# Allegro board ADRV9371-W_Layout_RevB.brd (continued)
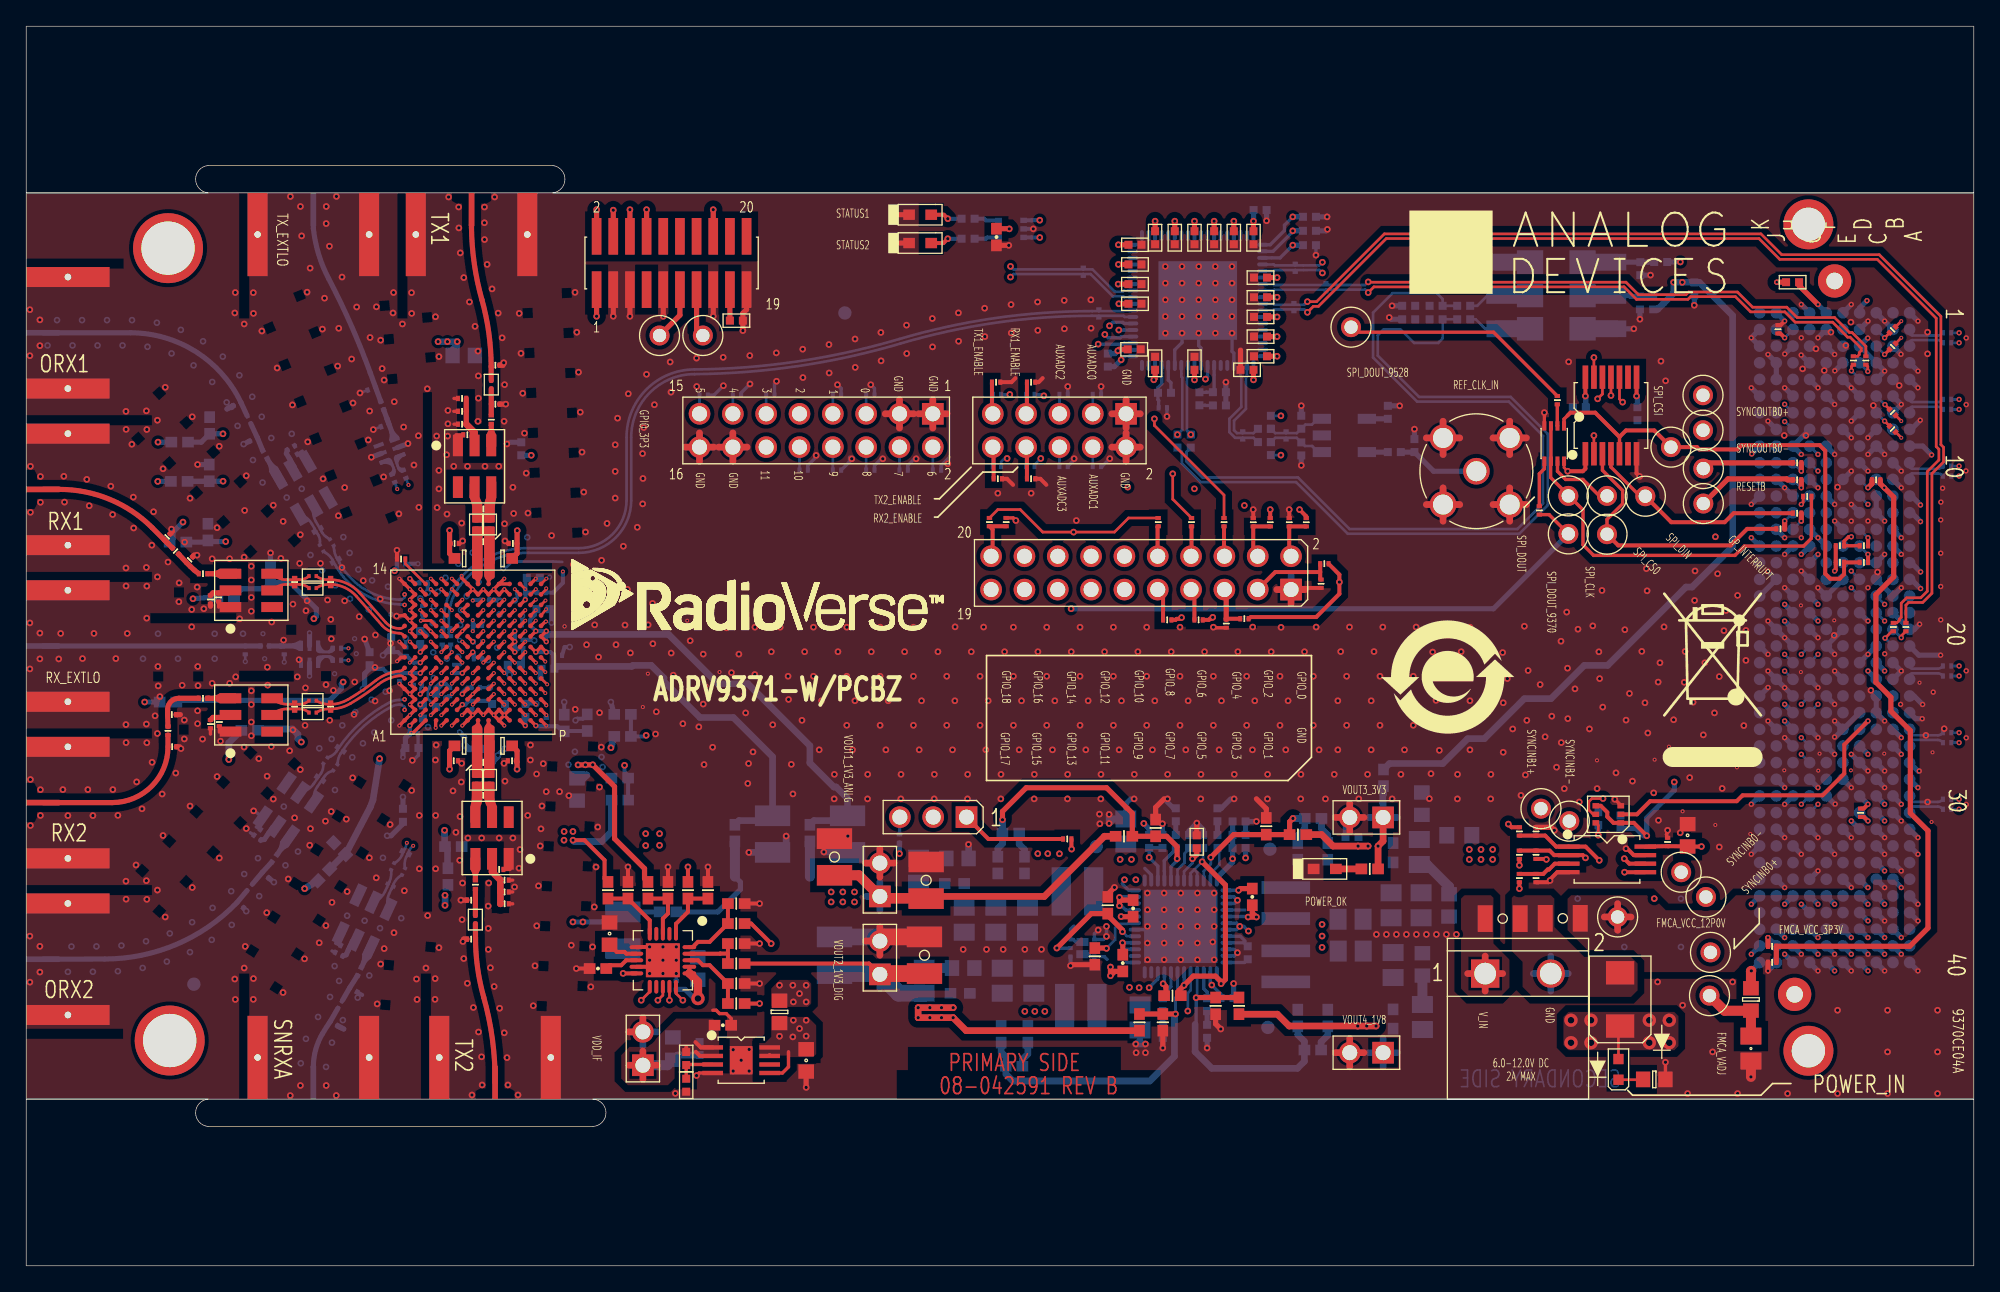
[diagram p0: board, top side]
## Routing (per net, layer and track width the routed paths; a pad name or vN(x,y) marks a point on that pad's centre or on a via; arc(x,y) is an arc through that point) (continued)
SPI_CLK: length 112.3
  TOP w0.254: U405.3 120.14,60.64 121.68,59.1 121.68,58.09 120.48,56.9 TP802.1 ; U101.K9 v6(36.44,48.38)
  TOP w0.305: R804.1 131.17,56.17 129.9,54.91 121.34,54.91 TP802.1
  L7_SIG w0.114: TP802.1 119,54.28 104.66,54.28 100.72,58.21 93.1,58.21 v8(92.85,57.96)
  L8_SIG w0.114: v8(92.85,57.96) 73.42,57.96 65.67,50.21 50.68,50.21 49.84,49.37 47.19,49.37 46,48.18 41.41,48.18 41.22,47.99 37.08,47.99 36.69,48.38 v6(36.44,48.38)
SPI_CLK_9528: length 44.4
  TOP w0.203: v1(119.77,66.09) 120.14,66.45 U405.12
  L7_SIG w0.114: v1(82.21,70.99) 82.44,70.76 83.56,70.76 84.47,71.67 93.74,71.67 96.08,69.33 116.28,69.33 118.75,66.85 119.01,66.85 119.05,66.81 119.05,66.81 119.35,66.51 119.35,66.51 v1(119.77,66.09)
  BOTTOM w0.254: v1(82.21,70.99) 82.46,70.74 83.38,70.74 83.47,70.83 U401.22
SPI_CS0: length 120.1
  TOP w0.254: U101.K10 v6(36.44,49.18) ; v2(139.1,55.57) 138.89,55.57 138.55,55.23 R808.2 R811.1 ; U403.7 116.71,60.56 117.33,59.94 118.65,59.94 119.9,58.69 TP813.1
  L7_SIG w0.114: TP813.1 119.34,57.54 116.88,57.54 115.13,55.8 105.67,55.8 101.86,59.61 89.42,59.61 v8(89.04,59.23)
  L8_SIG w0.114: v6(36.44,49.18) 36.84,49.58 40.01,49.58 40.52,50.08 43.11,50.08 43.27,49.93 43.61,49.93 43.9,50.21 45.2,50.21 46.85,51.86 63.89,51.86 72.27,60.24 85.35,60.24 86.37,59.23 v8(89.04,59.23)
  L8_SIG w0.254: v2(139.1,55.57) 138.49,56.18 122.99,56.18 TP813.1
SPI_CS1: length 37
  TOP w0.254: 117.48,64.82 117.21,64.54 U403.1 ; 121.44,63.18 U405.5
  TOP w0.305: R812.1 R809.2 138.55,52.71 138.21,52.37 137.5,52.37 137.12,52.75 137.12,62.12 136.69,62.56 130.74,62.56 130.41,62.23 127.52,62.23 127.34,62.4 TP814.1 124.09,63.67 121.93,63.67 121.44,63.18 119.58,65.03 117.7,65.03 117.48,64.82
SPI_CS_9528: length 47
  TOP w0.203: U405.10 121.44,66.07 v1(121.68,65.83)
  L7_SIG w0.114: v1(81.7,70.25) 93.12,70.25 95.2,68.18 115.77,68.18 118.75,65.2 121.04,65.2 v1(121.68,65.83)
  BOTTOM w0.254: U401.21 83.78,70.33 83.69,70.33 83.62,70.25 v1(81.7,70.25)
SPI_DIN: length 114.3
  TOP w0.254: U101.J9 v6(35.64,48.38) ; U405.4 120.79,60.88 123,58.66 TP801.1
  TOP w0.305: TP801.1 125.39,56.68 129.45,56.68 130.14,57.37 R805.1
  L7_SIG w0.114: TP801.1 122.03,60.03 117.4,60.03 113.93,56.56 106.18,56.56 102.24,60.5 96.97,60.5 96.59,60.88 87.6,60.88 87.6,60.89 87.17,60.89 87.17,60.88 85.56,60.88 84.03,59.36 v1(83.96,59.36)
  L8_SIG w0.114: v6(35.64,48.38) 36.03,48.76 40.34,48.76 40.95,49.37 45.27,49.37 47,51.1 64.65,51.1 72.96,59.4 83.91,59.4 v1(83.96,59.36)
SPI_DIN_9528: length 43.6
  TOP w0.203: U405.11 v1(120.79,66.34)
  L7_SIG w0.114: v1(83.28,71.33) 85.02,73.07 93.86,73.07 96.53,70.4 116.85,70.4 120.79,66.47 v1(120.79,66.34)
  BOTTOM w0.254: v1(83.28,71.33) 83.68,71.33 U401.23
SPI_DOUT: length 31.6
  TOP w0.203: TP809.1 117.59,58.69 ; 116.2,61.33 U403.6
  TOP w0.254: R806.1 136.06,55.72 136.06,55.71 136.06,55.45 135.47,54.86 130.95,54.86 130.23,54.15 119.47,54.15 118.66,54.96 118.66,57.62 116.19,60.09 116.19,61.32 116.21,61.35 U403.3
SPI_DOUT_9370: length 91.9
  TOP w0.254: TP402.1 116.07,57.26 R427.2 ; U101.J10 v6(35.64,49.18)
  L7_SIG w0.097: 39.89,46.39 39.49,46.39
  L7_SIG w0.114: 39.49,46.39 37.95,46.39 37.7,46.64 37.7,47.06 37.58,47.19 37.08,47.19 36.85,47.42 36.85,47.74 36.55,48.04 36.3,48.04 36.1,48.24 36.1,48.66 35.64,49.13 v6(35.64,49.18) ; v1(79.64,50.08) 79.64,49.81 77.63,47.8 77.1,47.8 75.41,46.11 48.61,46.11 48.52,46.19 45.18,46.19 44.45,46.92 43.41,46.92 42.88,46.39 39.89,46.39
  BOTTOM w0.394: TP402.1 111.83,50.08 v1(79.64,50.08)
SPI_DOUT_9528: length 40.5
  TOP w0.254: TP401.1 101.36,71.17 111.83,71.17 R426.2
  L7_SIG w0.114: v1(82.56,71.65) 85.25,74.34 94.12,74.34 96.91,71.55 TP401.1
  BOTTOM w0.254: U401.24 83.81,71.83 83.67,71.83 83.59,71.91 82.83,71.91 v1(82.56,71.65)
STATUS_0: length 25.1
  L5_SIG w0.114: v1(77.25,79.7) 77.85,80.3 96.19,80.3 v1(96.53,79.96)
  BOTTOM w0.254: v1(96.53,79.96) 95.9,79.32 95.9,78.92 94.81,77.83 U401.55 ; R418.1 97.17,79.96
  BOTTOM w0.305: v1(77.25,79.7) 76.64,79.7 76.63,79.69 U402.1
  BOTTOM w0.394: 97.17,79.96 v1(96.53,79.96)
STATUS_1: length 24.5
  L5_SIG w0.114: v1(77.25,78.38) 77.76,78.89 v1(96.53,78.89)
  BOTTOM w0.203: R419.1 97.17,78.89
  BOTTOM w0.254: v1(96.53,78.89) 96.53,78.83 95.03,77.33 U401.56
  BOTTOM w0.305: U402.3 76.63,78.39 76.64,78.38 v1(77.25,78.38)
  BOTTOM w0.394: 97.17,78.89 v1(96.53,78.89)
SYNCINB0+: length 150.5
  TOP w0.254: U101.M4 v6(38.04,43.58)
  L7_SIG w0.091: 127.14,29 127.77,29.64 132.45,29.64 136.77,33.96 137.78,33.96 139.91,36.09 139.91,39.2 141.36,40.65 141.97,40.65 143.75,42.43 143.75,60.77 143.14,61.39 137.02,61.39 v2(136.56,61.85) ; 127.14,29 126.63,28.49 119.66,28.49 116.24,31.92 113.19,31.92 111.79,33.32 110.14,33.32 105.19,38.27 60.57,38.27 59.68,37.38 48.14,37.38 44.84,40.68 40.77,40.68 39.84,41.62 37.93,41.62 37.71,41.85 37.71,42.91 38.04,43.25 v6(38.04,43.58) ; 127.14,29 TP807.1
  BOTTOM w0.203: P801.G9 v2(136.56,61.85)
SYNCINB0-: length 150.5
  TOP w0.254: U101.M3 v6(38.04,42.78)
  L7_SIG w0.091: 127.02,29.24 126.89,29.24 126.14,29.99 TP808.1 ; 127.02,29.24 127.67,29.89 132.34,29.89 136.66,34.21 137.68,34.21 139.66,36.19 139.66,39.31 141.26,40.91 141.87,40.91 143.5,42.54 143.5,60.67 143.03,61.14 136.92,61.14 136.66,61.39 135.9,61.39 135.77,61.26 135.77,60.58 135.9,60.45 136.44,60.45 136.56,60.58 v2(136.56,60.58) ; 127.02,29.24 126.96,29.18 126.96,29.18 126.52,28.75 119.77,28.75 116.34,32.18 113.29,32.18 111.9,33.57 110.25,33.57 105.29,38.53 60.46,38.53 59.57,37.64 48.25,37.64 44.95,40.94 40.87,40.94 40.09,41.72 40.09,42.16 39.93,42.32 38.14,42.32 38.04,42.42 v6(38.04,42.78)
  BOTTOM w0.203: P801.G10 v2(136.56,60.58)
SYNCINB1+: length 108.7
  TOP w0.254: U101.L4 v6(37.24,43.58)
  L7_SIG w0.091: v2(135.29,40.26) 134.79,39.75 126.42,39.75 125.79,39.12 125.02,39.12 124.82,39.32 121.19,39.32 116.02,34.14 ; 116.02,34.14 115.71,33.83 114.54,33.83 113.4,34.97 111.01,34.97 109.02,36.96 108.88,36.96 105.28,40.56 49.54,40.56 48.4,41.7 46.08,41.7 44.05,43.73 40.01,43.73 39.77,43.98 38.62,43.98 38.36,44.24 38.36,44.51 38.17,44.7 37.9,44.7 37.66,44.46 37.66,44.12 37.33,43.78 37.33,43.66 v6(37.24,43.58) ; 116.02,34.14 116.02,34.28 TP810.1
  BOTTOM w0.203: P801.G27 v2(135.29,40.26)
SYNCINB1-: length 108.8
  TOP w0.254: U101.L3 v6(37.24,42.78)
  L7_SIG w0.091: v2(135.29,38.99) 134.79,39.5 126.53,39.5 125.9,38.86 124.91,38.86 124.71,39.06 121.3,39.06 116.84,34.6 ; 116.84,34.6 115.81,33.57 114.44,33.57 113.29,34.72 110.9,34.72 108.92,36.7 108.78,36.7 105.18,40.31 49.43,40.31 48.29,41.45 45.98,41.45 43.95,43.48 40.01,43.48 39.76,43.23 38.73,43.23 38.51,43.44 38.51,43.56 38.17,43.9 37.8,43.9 37.58,43.68 37.58,43.46 37.56,43.44 37.56,43.44 37.24,43.12 v6(37.24,42.78) ; 116.84,34.6 117.55,33.89 TP811.1
  BOTTOM w0.203: P801.G28 v2(135.29,38.99)
SYNCOUTB0+: length 115.2
  TOP w0.203: U101.M13 v6(37.24,51.58)
  L8_SIG w0.091: TP805.1 127.9,66.26 127.9,65.2 ; v6(37.24,51.58) 37.38,51.58 37.54,51.74 37.54,52.05 37.78,52.29 38.42,52.29 38.72,51.99 39.88,51.99 40.19,51.68 44.15,51.68 45.86,53.39 51.57,53.39 58.56,60.37 70.39,60.37 71.64,61.62 71.64,66.21 76.08,70.66 76.08,71.42 77.23,72.56 84.34,72.56 86.75,70.15 120.53,70.15 125.49,65.2 127.9,65.2 ; 127.9,65.2 133.55,65.2 v2(134.02,65.67)
  BOTTOM w0.203: v2(134.02,65.67) 134.02,65.66 P801.H7
SYNCOUTB0-: length 115.3
  TOP w0.203: U101.M14 v6(38.04,51.58)
  L8_SIG w0.091: 127.9,64.94 125.38,64.94 120.43,69.9 86.64,69.9 84.23,72.31 77.33,72.31 76.34,71.32 76.34,70.55 71.89,66.11 71.89,61.51 70.49,60.12 58.66,60.12 51.68,53.13 45.96,53.13 44.26,51.43 40.14,51.43 39.94,51.23 38.67,51.23 38.46,51.43 38.46,51.88 38.32,52.03 37.89,52.03 37.8,51.94 37.8,51.74 37.96,51.58 v6(38.04,51.58) ; 127.9,64.94 133.43,64.94 v2(134.02,64.35) ; 127.9,64.94 127.9,63.79 TP806.1
  BOTTOM w0.203: v2(134.02,64.35) 134.06,64.35 P801.H8
SYSREF_IN+: length 78.5
  TOP w0.254: U101.K3 v6(36.44,42.78)
  L7_SIG w0.091: v6(36.44,42.78) 35.96,43.25 35.38,43.25 34.68,43.95 34.68,45.57 34.51,45.74 34.51,48.6 34.23,48.88 33.9,48.88 33.71,49.07 33.71,49.28 33.34,49.65 33.1,49.65 32.91,49.84 32.91,50.2 32.65,50.47 32.65,51.23 35.7,54.28 37.58,54.28 39.87,56.56 41.05,56.56 43.19,58.7 43.19,62.02 46.75,65.57 46.75,66.09 48.9,68.25 58.32,68.25 59.59,69.52 64.62,69.52 66.02,70.91 70.11,70.91 72.29,73.09 72.29,73.31 73.33,74.34 75.47,74.34 75.83,74.7 75.83,75.38 75.56,75.65 75.3,75.65 v1(75.02,75.37)
  BOTTOM w0.203: 80.57,75.6 81.12,75.6 82.81,73.9 83.61,73.9 83.68,73.83 84.06,73.83 U401.28 ; 80.57,75.6 R424.2 ; 80.57,75.6 75.25,75.6 v1(75.02,75.37)
SYSREF_IN-: length 78.7
  TOP w0.254: U101.K4 v6(36.44,43.58)
  L7_SIG w0.091: v6(36.44,43.58) 36.44,43.82 36.36,43.9 35.09,43.9 34.93,44.06 34.93,45.51 35.19,45.77 35.19,48.49 34.97,48.7 34.77,48.7 34.36,49.11 34.36,49.34 34.17,49.53 33.94,49.53 33.56,49.91 33.56,50.11 33.37,50.3 33.17,50.3 32.9,50.57 32.9,51.12 35.8,54.02 37.69,54.02 39.98,56.31 41.16,56.31 43.44,58.59 43.44,61.91 47,65.47 47,65.98 49.01,67.99 58.43,67.99 59.7,69.26 64.73,69.26 66.12,70.66 70.22,70.66 72.55,72.99 72.55,73.2 73.43,74.09 75.57,74.09 76.08,74.6 76.08,75.48 75.67,75.9 75.3,75.9 v1(75.02,76.18)
  BOTTOM w0.203: R424.1 80.57,75.95 ; 80.57,75.95 75.25,75.95 v1(75.02,76.18) ; 80.57,75.95 81.27,75.95 82.96,74.26 83.58,74.26 83.66,74.33 84.12,74.33 U401.29
TEST: length 169
  TOP w0.254: U101.J6 v6(35.64,45.98)
  TOP w0.394: R810.1 141.31,59.61 v2(141.62,59.31) 142.34,58.59 142.34,52.52 140.98,51.16 140.98,44.48 142.12,43.33 142.12,42.27 143.61,40.79 143.61,34.5 144.95,33.16 144.95,25.75 143.55,24.35 R503.2 R504.1
  L7_SIG w0.114: v6(35.64,45.98) 35.97,45.64 37.47,45.64 37.73,45.89 38.44,45.89 38.7,45.64 45.73,45.64 46.87,44.5 51.55,44.5 51.68,44.63 53.22,44.63 53.86,43.99 54.49,43.99 54.5,44 76.11,44 79.44,47.32 79.8,47.32 82.56,50.08 82.56,51.97 83.34,52.75 84.21,52.75 85.13,53.67 85.13,54.55 86.26,55.67 87.64,55.67 89,57.03 100.63,57.03 104.15,53.51 121.76,53.51 127.39,59.15 133.31,59.15 133.67,58.79 141.1,58.79 v2(141.62,59.31)
TRI_STATE: length 5.4
  BOTTOM w0.394: R408.1 R409.2 122.29,73.9 122.22,73.96 Y402.2 Y401.2
TX1_ENABLE: length 58.8
  TOP w0.254: U101.M6 v6(38.04,45.18)
  TOP w0.305: R507.1 73.61,65.01 P501.9
  L5_SIG w0.114: v6(38.04,45.18) 37.7,45.51 37.22,45.51 36.77,45.96 36.77,46.95 36.49,47.24 36.3,47.24 36.1,47.44 36.1,51.72 36.39,52 36.58,52 36.77,52.2 36.77,52.52 36.65,52.64 36.65,53.7 37.54,54.59 39.7,54.59 40.56,55.45 40.56,55.45 41.73,56.63 43.58,56.63 44.06,57.1 44.48,57.1 44.74,56.85 69.51,56.85 72.53,59.86 72.53,63.8 P501.9
  BOTTOM w0.203: 73.67,66.42 P501.9
TX2_ENABLE: length 53
  TOP w0.254: U101.M8 v6(38.04,47.58)
  TOP w0.305: R506.1 73.73,62.34 P501.10
  L5_SIG w0.114: v6(38.04,47.58) 37.79,47.58 37.37,47.99 37.08,47.99 36.84,48.23 36.84,51.65 37.1,51.91 37.11,51.91 37.22,52.03 37.22,52.69 37.14,52.78 37.14,53.59 37.69,54.14 40.13,54.14 41.16,55.16 44.46,55.16 44.84,55.55 68.97,55.55 73.67,60.24 P501.10
  BOTTOM w0.203: 73.67,60.93 P501.10
TX_EXTLO+: length 12
  TOP w0.203: U101.E12 v6(32.44,49.98)
  L10_SIG w0.091: v5(29.14,59.52) arc(29.1,59.21) 29.17,58.91 arc(29.28,58.49) 29.31,58.05 arc(29.32,57.79) 29.37,57.55 arc(29.6,56.43) 29.71,55.29 arc(29.85,53.93) 30.18,52.59 arc(30.31,52.3) 30.51,52.04 arc(30.61,51.98) 30.71,51.96 30.84,51.96 arc(31.11,51.85) 31.22,51.58 arc(31.23,51.52) 31.27,51.47 31.41,51.32 arc(31.58,51.07) 31.64,50.78 arc(31.87,50.21) v6(32.44,49.98)
  BOTTOM w0.203: C336.2 v5(29.14,59.52)
TX_EXTLO-: length 11.9
  TOP w0.203: U101.E11 v6(31.64,49.98)
  L10_SIG w0.091: v6(31.64,49.98) 31.5,49.98 arc(31.42,50.01) 31.39,50.08 31.38,50.77 arc(31.38,50.77) 31.38,50.78 arc(31.34,50.97) 31.23,51.14 31.21,51.16 arc(31.16,51.19) 31.11,51.2 30.82,51.2 arc(30.59,51.3) 30.49,51.53 arc(30.46,51.69) 30.37,51.83 30.34,51.86 arc(30.1,52.16) 29.93,52.51 arc(29.6,53.88) 29.45,55.28 arc(29.35,56.39) 29.12,57.48 arc(29.07,57.77) 29.06,58.05 arc(29.01,58.58) 28.81,59.07 arc(28.57,59.25) v5(28.28,59.21)
  BOTTOM w0.203: C337.2 v5(28.28,59.21)
UNNAMED_3_CAP_I11_N1: length 11.7
  TOP w0.394: 10.81,55.05 9.6,56.26 arc(6.36,58.42) 2.55,59.18 J200.1 ; 10.81,55.05 C200.1 ; 10.81,55.05 R201.1
UNNAMED_3_CAP_I25_N1: length 12.9
  TOP w0.394: R209.1 C208.1 arc(9.56,36.55) 6.55,35.31 J201.1
UNNAMED_3_CAP_I39_N1: length 6.2
  BOTTOM w0.305: L218.2 23.74,19.6
  BOTTOM w0.394: 23.74,19.6 C217.1 arc(22.87,18.16) 22.58,17.7 arc(22.06,16.48) 21.88,15.16 arc(21.88,14.56) J202.1
UNNAMED_3_CAP_I54_N1: length 18.4
  BOTTOM w0.254: L226.2 16.82,64.82
  BOTTOM w0.394: J203.1 7.95,71.12 arc(12.91,69.69) C225.1 16.82,64.82
UNNAMED_3_CAP_I67_N1: length 17.2
  BOTTOM w0.254: L234.2 16.82,28.59
  BOTTOM w0.394: 16.82,28.59 C233.1 arc(11.47,24.51) 5.98,23.38 arc(3.62,23.37) J204.1
UNNAMED_3_CAP_I109_N1: length 3.1
  TOP w0.203: 20.46,42.45 C213.1 ; 20.46,42.45 19.85,42.45 arc(19.25,42.33) T201.5 ; 20.46,42.45 20.51,42.45 20.72,42.45 20.84,42.45 arc(21.22,42.37) L214.2
UNNAMED_3_CAP_I109_N2: length 3.1
  TOP w0.203: 20.46,42.8 19.91,42.8 arc(19.28,42.92) T201.4 ; 20.46,42.8 C213.2 ; 20.46,42.8 20.84,42.8 arc(21.22,42.87) L215.2
UNNAMED_3_CAP_I141_N1: length 3.1
  BOTTOM w0.203: 22.41,56.15 22.07,56.73 arc(21.88,57.31) T203.5 ; 22.41,56.15 C229.1 ; 22.41,56.15 arc(22.41,56.15) 22.41,56.15 22.51,55.98 22.57,55.87 arc(22.7,55.7) 22.86,55.56 arc(23,55.47) L230.2
UNNAMED_3_CAP_I141_N2: length 3.2
  BOTTOM w0.203: 22.1,55.98 22.2,55.8 22.26,55.7 arc(22.36,55.46) 22.39,55.2 arc(22.38,55.07) L231.2 ; 22.1,55.98 C229.2 ; 22.1,55.98 21.99,56.17 21.77,56.55 arc(21.36,57.01) T203.4
UNNAMED_3_CAP_I188_N1: length 3.2
  BOTTOM w0.127: L238.2 22.62,38.25 ; C237.1 22.22,37.18
  BOTTOM w0.203: 22.62,38.25 arc(22.61,37.88) 22.46,37.53 22.28,37.27 arc(22.28,37.27) 22.28,37.27 22.22,37.18 21.9,36.72 arc(21.46,36.3) T204.5
UNNAMED_3_CAP_I188_N2: length 3.2
  BOTTOM w0.127: L239.2 23.37,37.72 ; C237.2 22.57,37.07
  BOTTOM w0.203: 23.37,37.72 arc(23.02,37.59) 22.76,37.33 22.57,37.07 22.57,37.07 22.19,36.52 arc(21.94,35.96) T204.4
UNNAMED_3_CAP_I194_N1: length 4.2
  TOP w0.394: R209.2 C211.1 10.78,42.41 arc(11.03,43.01) 11.63,43.26 C241.1
UNNAMED_3_CAP_I194_N2: length 1.1
  TOP w0.203: 14.42,43.26 14.92,43.26
  TOP w0.394: 14.6,43.26 14.6,43.26 ; 14.42,43.26 13.95,43.26 arc(13.87,43.26) C241.2
UNNAMED_3_CAP_I197_N1: length 2.3
  BOTTOM w0.305: L218.1 24.13,20.28 ; C242.1 25.24,22.12
  BOTTOM w0.394: 24.13,20.28 C219.1 25.24,22.12
UNNAMED_3_CAP_I197_N2: length 1.1
  BOTTOM w0.203: C242.2 25.59,22.83 ; 25.99,23.73 25.83,23.37
  BOTTOM w0.394: 25.59,22.83 25.83,23.37
UNNAMED_3_CAP_I199_N1: length 2.3
  BOTTOM w0.203: 17.1,64.23 17.12,64.19 ; C243.1 17.98,62.23
  BOTTOM w0.394: 17.98,62.23 C227.1 17.12,64.19
UNNAMED_3_CAP_I199_N2: length 1.1
  BOTTOM w0.203: C243.2 18.42,61.43 ; 18.92,60.59 18.73,60.93
  BOTTOM w0.394: 18.42,61.43 18.73,60.93
UNNAMED_3_CAP_I201_N1: length 2.3
  BOTTOM w0.203: C244.1 18.65,30.7
  BOTTOM w0.254: L234.1 17.25,29.11
  BOTTOM w0.394: 18.65,30.7 C235.1 17.25,29.11
UNNAMED_3_CAP_I201_N2: length 2.3
  BOTTOM w0.203: 19.74,32.24 19.51,31.92 T204.3 ; C244.2 19.19,31.42 arc(19.13,31.38) C244.2
  BOTTOM w0.394: 19.19,31.42 19.51,31.92
UNNAMED_3_CAP_I204_N1: length 1.7
  TOP w0.203: 14.69,41.8 14.72,41.77 C247.2
  TOP w0.394: C212.1 14.23,41.8 15.38,41.8 T201.2
UNNAMED_3_CAP_I208_N1: length 1.8
  BOTTOM w0.203: C250.2 24.55,24.07 ; 25.12,24.83 T202.2
  BOTTOM w0.394: C220.1 24.38,23.71 24.55,24.07 24.87,24.74 25.12,24.83
UNNAMED_3_CAP_I212_N1: length 1.8
  BOTTOM w0.203: C249.2 18.47,32.97
  BOTTOM w0.394: C236.1 18.15,32.5 18.8,33.43 T204.2
UNNAMED_3_CAP_I216_N1: length 1.8
  BOTTOM w0.203: C248.2 20.11,61.42
  BOTTOM w0.394: 19.9,62.18 19.83,61.92 20.4,60.93 T203.2
UNNAMED_3_CAP_I223_N1: length 2.2
  TOP w0.203: C245.1 13.11,52.8
  TOP w0.394: R201.2 C202.1 12.51,53.31 arc(12.65,53.18) 12.79,53.04 arc(12.95,52.92) 13.11,52.8
UNNAMED_3_CAP_I223_N2: length 1.1
  TOP w0.203: C245.2 13.95,52.75 ; 14.42,52.75 14.92,52.75
  TOP w0.394: 13.95,52.75 14.42,52.75 ; 14.6,52.76 14.59,52.75
UNNAMED_3_CAP_I224_N2: length 1.7
  TOP w0.203: C246.2 14.66,51.29
  TOP w0.394: C203.2 14.23,51.29 15.38,51.29 T200.2
UNNAMED_3_CAP_I234_N1: length 3.1
  TOP w0.203: 20.46,51.94 20.84,51.94 arc(21.22,51.87) L205.2 ; 20.46,51.94 C204.1 ; 20.46,51.94 20.29,51.94 19.85,51.94 arc(19.25,51.82) T200.5
UNNAMED_3_CAP_I234_N2: length 3.2
  TOP w0.203: 20.53,52.3 20.46,52.3 C204.2 ; 20.53,52.3 arc(20.19,52.3) 19.84,52.3 arc(19.25,52.41) T200.4 ; 20.53,52.3 arc(20.62,52.3) 20.72,52.3 20.84,52.3 arc(21.22,52.37) L206.2
UNNAMED_3_IND_I132_N2: length 3.1
  BOTTOM w0.203: 27.92,28.92 28,29.12 arc(28.26,29.51) L222.2 ; 27.92,28.92 L221.1 ; 27.92,28.92 27.83,28.72 arc(27.83,28.72) 27.83,28.72 27.66,28.37 arc(27.52,27.78) T202.4
UNNAMED_3_IND_I134_N2: length 3.1
  BOTTOM w0.203: 27.6,29.08 27.68,29.26 arc(27.81,29.71) L223.2 ; 27.6,29.08 L221.2 ; 27.6,29.08 27.5,28.86 27.34,28.52 arc(26.98,28.03) T202.5
UNNAMED_4_CAP_I388_N1: length 0.9
  BOTTOM w0.203: 22.6,46.43 23.09,46.43 arc(23.28,46.35) C333.1
UNNAMED_4_CAP_I389_N1: length 0.9
  BOTTOM w0.203: 22.6,46.79 23.09,46.79 arc(23.28,46.87) C332.1
UNNAMED_4_CAP_I525_N1: length 2.1
  TOP w0.127: L301.2 35.44,66.85 ; C305.2 35.44,64.94
  TOP w0.394: 35.44,66.85 C323.1 35.44,64.94
UNNAMED_4_CAP_I526_N1: length 13.3
  TOP w0.127: L301.1 35.44,67.48
  TOP w0.203: C324.1 35.43,68.54
  TOP w0.394: 35.44,67.48 35.43,68.54 arc(35.26,71.11) 34.73,73.64 arc(34.15,76.36) 33.94,79.13 arc(33.94,79.82) J305.1
UNNAMED_4_CAP_I531_N1: length 12.4
  TOP w0.127: L302.1 34.23,26.07 ; C329.1 34.23,25.01 34.24,25.01
  TOP w0.394: 34.23,26.07 34.24,25.01 arc(34.4,22.72) 34.87,20.46 arc(35.53,17.25) J306.1
UNNAMED_4_CAP_I533_N1: length 2.1
  TOP w0.127: L302.2 34.23,26.7 ; C306.2 34.23,28.61
  TOP w0.394: 34.23,26.7 C328.1 34.23,28.61
UNNAMED_4_CAP_I561_N1: length 3.6
  BOTTOM w0.203: C331.1 20.56,47.25 T307.1
  BOTTOM w0.394: R312.2 19.36,47.24 ; 19.36,47.24 20.56,47.25 ; 19.36,47.24 C331.1
UNNAMED_4_CAP_I563_N1: length 16.6
  BOTTOM w0.394: J307.1 C330.1 R312.1
UNNAMED_4_CAP_I600_N2: length 4.6
  TOP w0.203: T306.2 35.73,30.79 C339.2
  TOP w0.508: C322.2 36.14,27.59 C314.2 36.14,28.49 C326.2 35.5,30.03 T306.2
UNNAMED_4_CAP_I601_N1: length 3.7
  BOTTOM w0.203: T308.1 27.93,63.37 C335.1
  BOTTOM w0.394: C335.1 27.51,64.54 ; 27.51,64.54 R313.2 ; 27.51,64.54 27.93,63.37
UNNAMED_4_CAP_I603_N1: length 15.7
  BOTTOM w0.394: J308.1 21.88,79.08 arc(22.29,77.11) 23.05,75.25 arc(24.76,71.71) 26.22,68.06 C334.1 R313.1
UNNAMED_4_CAP_I646_N2: length 4.8
  TOP w0.203: T305.2 33.94,62.76 C338.2
  TOP w0.394: C321.2 C312.2 C313.2
  TOP w0.508: T305.2 34.17,63.52 C321.2
UNNAMED_4_CAP_I696_N1: length 0.9
  BOTTOM w0.203: 28.2,61.26 28.37,60.81 arc(28.51,60.65) 28.73,60.64
UNNAMED_4_CAP_I697_N1: length 0.9
  BOTTOM w0.203: 27.87,61.14 28.03,60.69 arc(28.03,60.47) C337.1
UNNAMED_5_CAP_I803_N2: length 1
  BOTTOM w0.254: R415.1 89.85,65.59 89.86,65.58 C411.2
UNNAMED_5_CAP_I905_N1: length 6.4
  BOTTOM w0.394: C401.1 105.81,62.02 R401.2 107.27,60.57 J401.1
UNNAMED_5_CAP_I905_N2: length 1.6
  BOTTOM w0.394: T401.4 C401.2
UNNAMED_5_CAP_I916_N1: length 63
  BOTTOM w0.203: C408.1 88.76,62.37 88.43,62.04 88.43,61.31 89.65,60.09 96.93,60.09 100.87,56.16 113.65,56.16 115.6,58.11 115.6,63.27 113,65.87 106.01,65.87 102.65,69.23 102.65,72.66 104.14,74.14 107.51,74.14 107.96,73.69 R413.1 R411.2
UNNAMED_5_CMOSNC7WV125K8X_I90_1: length 3.6
  TOP w0.203: 115.71,61.09 U403.5
  TOP w0.254: R427.1 115.33,60.37 115.71,60.76 115.71,61.09
UNNAMED_5_CMOSNC7WV125K8X_I90_A: length 1.7
  TOP w0.254: U403.2 116.71,64.03 116.7,64.05 R426.1
UNNAMED_5_DIOLED_I865_P: length 2.5
  TOP w0.305: D401.A 69.91,77.96 v1(70.24,78.29)
  BOTTOM w0.305: R420.2 v1(70.24,78.29)
UNNAMED_5_DIOLED_I866_P: length 2.4
  TOP w0.305: v1(70.24,79.82) 69.94,80.12 D402.A
  BOTTOM w0.305: v1(70.24,79.82) R421.2
UNNAMED_5_NC7WZ17P6X_I868_Y1: length 1.9
  BOTTOM w0.305: R421.1 73.01,79.82 73.14,79.69 U402.6
UNNAMED_5_NC7WZ17P6X_I868_Y2: length 1.9
  BOTTOM w0.305: R420.1 73.14,78.29 73.24,78.39 U402.4
UNNAMED_5_RES_I897_N2: length 63
  BOTTOM w0.203: R410.2 R412.2 107.96,70.68 107.62,70.35 105.78,70.35 104.75,71.37 103.45,71.37 103.01,70.93 103.01,69.38 106.16,66.23 113.14,66.23 115.96,63.41 115.96,57.96 113.8,55.8 100.72,55.8 96.78,59.74 89.5,59.74 88.07,61.16 88.07,62.04 87.74,62.37 R414.1
UNNAMED_5_RES_I907_N2: length 1.6
  BOTTOM w0.394: T401.5 R402.2
UNNAMED_6_AD9370V2_I826_DEVCL_1: length 1.2
  TOP w0.203: U101.E7 v5(32.44,46.78)
  BOTTOM w0.203: C502.2 32.34,47 arc(32.37,46.88) v5(32.44,46.78)
UNNAMED_6_AD9370V2_I826_DEVCLKI: length 1.2
  TOP w0.203: U101.E8 v5(31.64,46.78)
  BOTTOM w0.203: C501.2 31.71,46.95 arc(31.69,46.86) v5(31.64,46.78)
UNNAMED_6_AD9370V2_I826_RBIAS: length 2.5
  TOP w0.203: U101.C14 28.89,53.52 R505.2
UNNAMED_6_AD9370V2_I832_SERDI_1: length 113.1
  TOP w0.203: U101.P11 v6(39.62,50.05)
  L5_SIG w0.091: v2(147.32,39.88) arc(147.05,40.01) 146.77,40.07 arc(145.48,39.85) 144.49,38.99 144.08,38.37 arc(142.94,37.32) 141.44,36.94 133.67,36.94 arc(127.49,37.86) 121.8,40.45 arc(116.17,43) 110.04,43.88 58.08,43.88 arc(50.63,45.15) 44.12,48.97 arc(42.45,49.95) 40.55,50.29 40.19,50.29 arc(39.88,50.23) v6(39.62,50.05)
  BOTTOM w0.203: C507.2 v2(147.32,39.88)
UNNAMED_6_AD9370V2_I832_SERDI_2: length 117
  TOP w0.203: U101.P13 39.63,51.57 v6(39.63,51.64) ; 142.47,70.3 v6(142.91,70.74)
  L10_SIG w0.091: v6(142.91,70.74) arc(142.75,71.1) 142.38,71.25 140.39,71.25 arc(138.93,70.99) 137.69,70.17 arc(136.28,68.13) 135.54,65.76 arc(134.51,61.89) 132.63,58.34 arc(129.4,54.97) 125.23,52.86 arc(122.37,51.71) 119.71,50.15 arc(115.87,48.26) 111.63,47.62 55.41,47.62 arc(50.9,48.26) 46.72,50.08 arc(43.69,51.39) 40.42,51.83 40,51.83 arc(39.79,51.78) v6(39.63,51.64)
UNNAMED_6_AD9370V2_I832_SERDI_3: length 115.5
  TOP w0.203: v6(38.84,49.18) U101.N10
  L5_SIG w0.091: v6(38.84,49.18) arc(38.94,49.37) 39.15,49.45 39.84,49.45 arc(41.52,49.08) 42.9,48.06 arc(50.8,42.18) 60.44,40.14 110.04,40.14 arc(115.12,39.41) 119.79,37.29 arc(124.24,34.76) 128.93,32.69 arc(131.1,32.09) 133.34,31.89 141.39,31.89 arc(142.74,32.19) 143.82,33.05 arc(144.56,33.88) 145.37,34.64 arc(145.9,34.96) 146.51,35.05 146.98,35.05 arc(147.19,34.98) v2(147.32,34.8)
  BOTTOM w0.203: C511.2 v2(147.32,34.8)
UNNAMED_6_AD9370V2_I832_SERDI_4: length 114.3
  TOP w0.203: v6(38.84,51.58) U101.N13
  L5_SIG w0.091: v2(147.32,45.72) arc(147.13,45.52) 146.87,45.45 146.49,45.45 arc(145.78,45.29) 145.2,44.84 144.77,44.3 142.97,42.06 arc(140.84,40.37) 138.19,39.76 134.18,39.76 arc(132.37,39.93) 130.62,40.42 arc(127.2,41.96) 123.95,43.81 arc(117.28,46.83) 110.04,47.87 55.54,47.87 arc(51.44,48.34) 47.56,49.75 arc(44.29,50.92) 40.83,51.3 39.26,51.3 arc(39.01,51.38) v6(38.84,51.58)
  BOTTOM w0.203: C514.2 v2(147.32,45.72)
UNNAMED_6_AD9370V2_I832_SERDIN0: length 113
  TOP w0.203: U101.P12 v6(39.58,50.71)
  L5_SIG w0.091: v2(147.32,40.64) arc(147.11,40.39) 146.79,40.32 arc(145.37,40.08) 144.28,39.13 143.87,38.51 arc(142.82,37.55) 141.44,37.2 133.67,37.2 arc(127.56,38.1) 121.94,40.66 arc(116.24,43.25) 110.04,44.13 58.08,44.13 arc(50.72,45.39) 44.28,49.16 arc(42.54,50.19) 40.55,50.55 40.19,50.55 arc(39.87,50.59) v6(39.58,50.71)
  BOTTOM w0.203: C508.2 v2(147.32,40.64)
UNNAMED_6_AD9370V2_I832_SERDIN1: length 117.1
  TOP w0.203: v6(39.64,52.38) U101.P14 ; 142.47,71.57 v6(142.91,72.01)
  L10_SIG w0.091: v6(39.64,52.38) arc(39.77,52.17) 40,52.09 40.42,52.09 arc(43.76,51.63) 46.85,50.29 arc(50.97,48.51) 55.41,47.87 111.63,47.87 arc(115.79,48.51) 119.56,50.36 arc(122.26,51.94) 125.16,53.1 arc(129.25,55.18) 132.42,58.48 arc(134.27,61.98) 135.29,65.8 arc(136.05,68.24) 137.5,70.35 arc(138.83,71.22) 140.4,71.5 142.39,71.5 arc(142.75,71.65) v6(142.91,72.01)
UNNAMED_6_AD9370V2_I832_SERDIN2: length 115.5
  TOP w0.203: v6(38.84,49.98) U101.N11
  L5_SIG w0.091: v2(147.32,35.56) arc(147.19,35.38) 146.98,35.31 146.52,35.31 arc(145.82,35.19) 145.2,34.84 arc(144.38,34.06) 143.62,33.21 arc(142.63,32.42) 141.39,32.14 133.34,32.14 arc(131.14,32.34) 129.02,32.93 arc(124.36,34.99) 119.93,37.51 arc(115.19,39.66) 110.04,40.39 60.44,40.39 arc(50.91,42.41) 43.09,48.22 arc(41.62,49.32) 39.84,49.7 39.15,49.7 arc(38.94,49.78) v6(38.84,49.98)
  BOTTOM w0.203: C512.2 v2(147.32,35.56)
UNNAMED_6_AD9370V2_I832_SERDIN3: length 114.3
  TOP w0.203: v6(38.84,50.78) U101.N12
  L5_SIG w0.091: v2(147.32,44.96) arc(147.2,45.13) 147,45.19 146.86,45.19 146.49,45.19 arc(145.89,45.06) 145.4,44.68 144.96,44.14 143.17,41.9 arc(140.95,40.14) 138.19,39.51 134.18,39.51 arc(132.32,39.68) 130.53,40.19 arc(127.09,41.73) 123.81,43.6 arc(117.21,46.59) 110.04,47.62 55.54,47.62 arc(51.38,48.1) 47.45,49.52 arc(44.23,50.67) 40.83,51.05 39.26,51.05 arc(39.01,50.97) v6(38.84,50.78)
  BOTTOM w0.203: C513.2 v2(147.32,44.96)
UNNAMED_6_AD9370V2_I832_SERDO_1: length 123.3
  TOP w0.203: U101.P6 v6(39.56,45.25)
  L10_SIG w0.091: v2(147.32,70.36) arc(147.2,70.54) 146.99,70.6 146.98,70.6 146.69,70.6 arc(144.73,70.12) 143.25,68.74 arc(141.81,67.04) 139.95,65.82 arc(138.07,64.18) 137.38,61.79 137.38,54.15 arc(136.81,52.78) 135.45,52.22 133.77,52.22 arc(126.72,51.2) 120.25,48.26 arc(116.12,46.39) 111.63,45.75 55.49,45.75 arc(52.96,45.79) 50.43,45.73 arc(45.36,45.58) 40.28,45.53 40.05,45.53 arc(39.77,45.45) v6(39.56,45.25)